# KiCad board sandevistan58_right.kicad_pcb
title: Sandevistan43; date: 2025-06-01; rev: 0.2; company: islathehut; note: Right Side
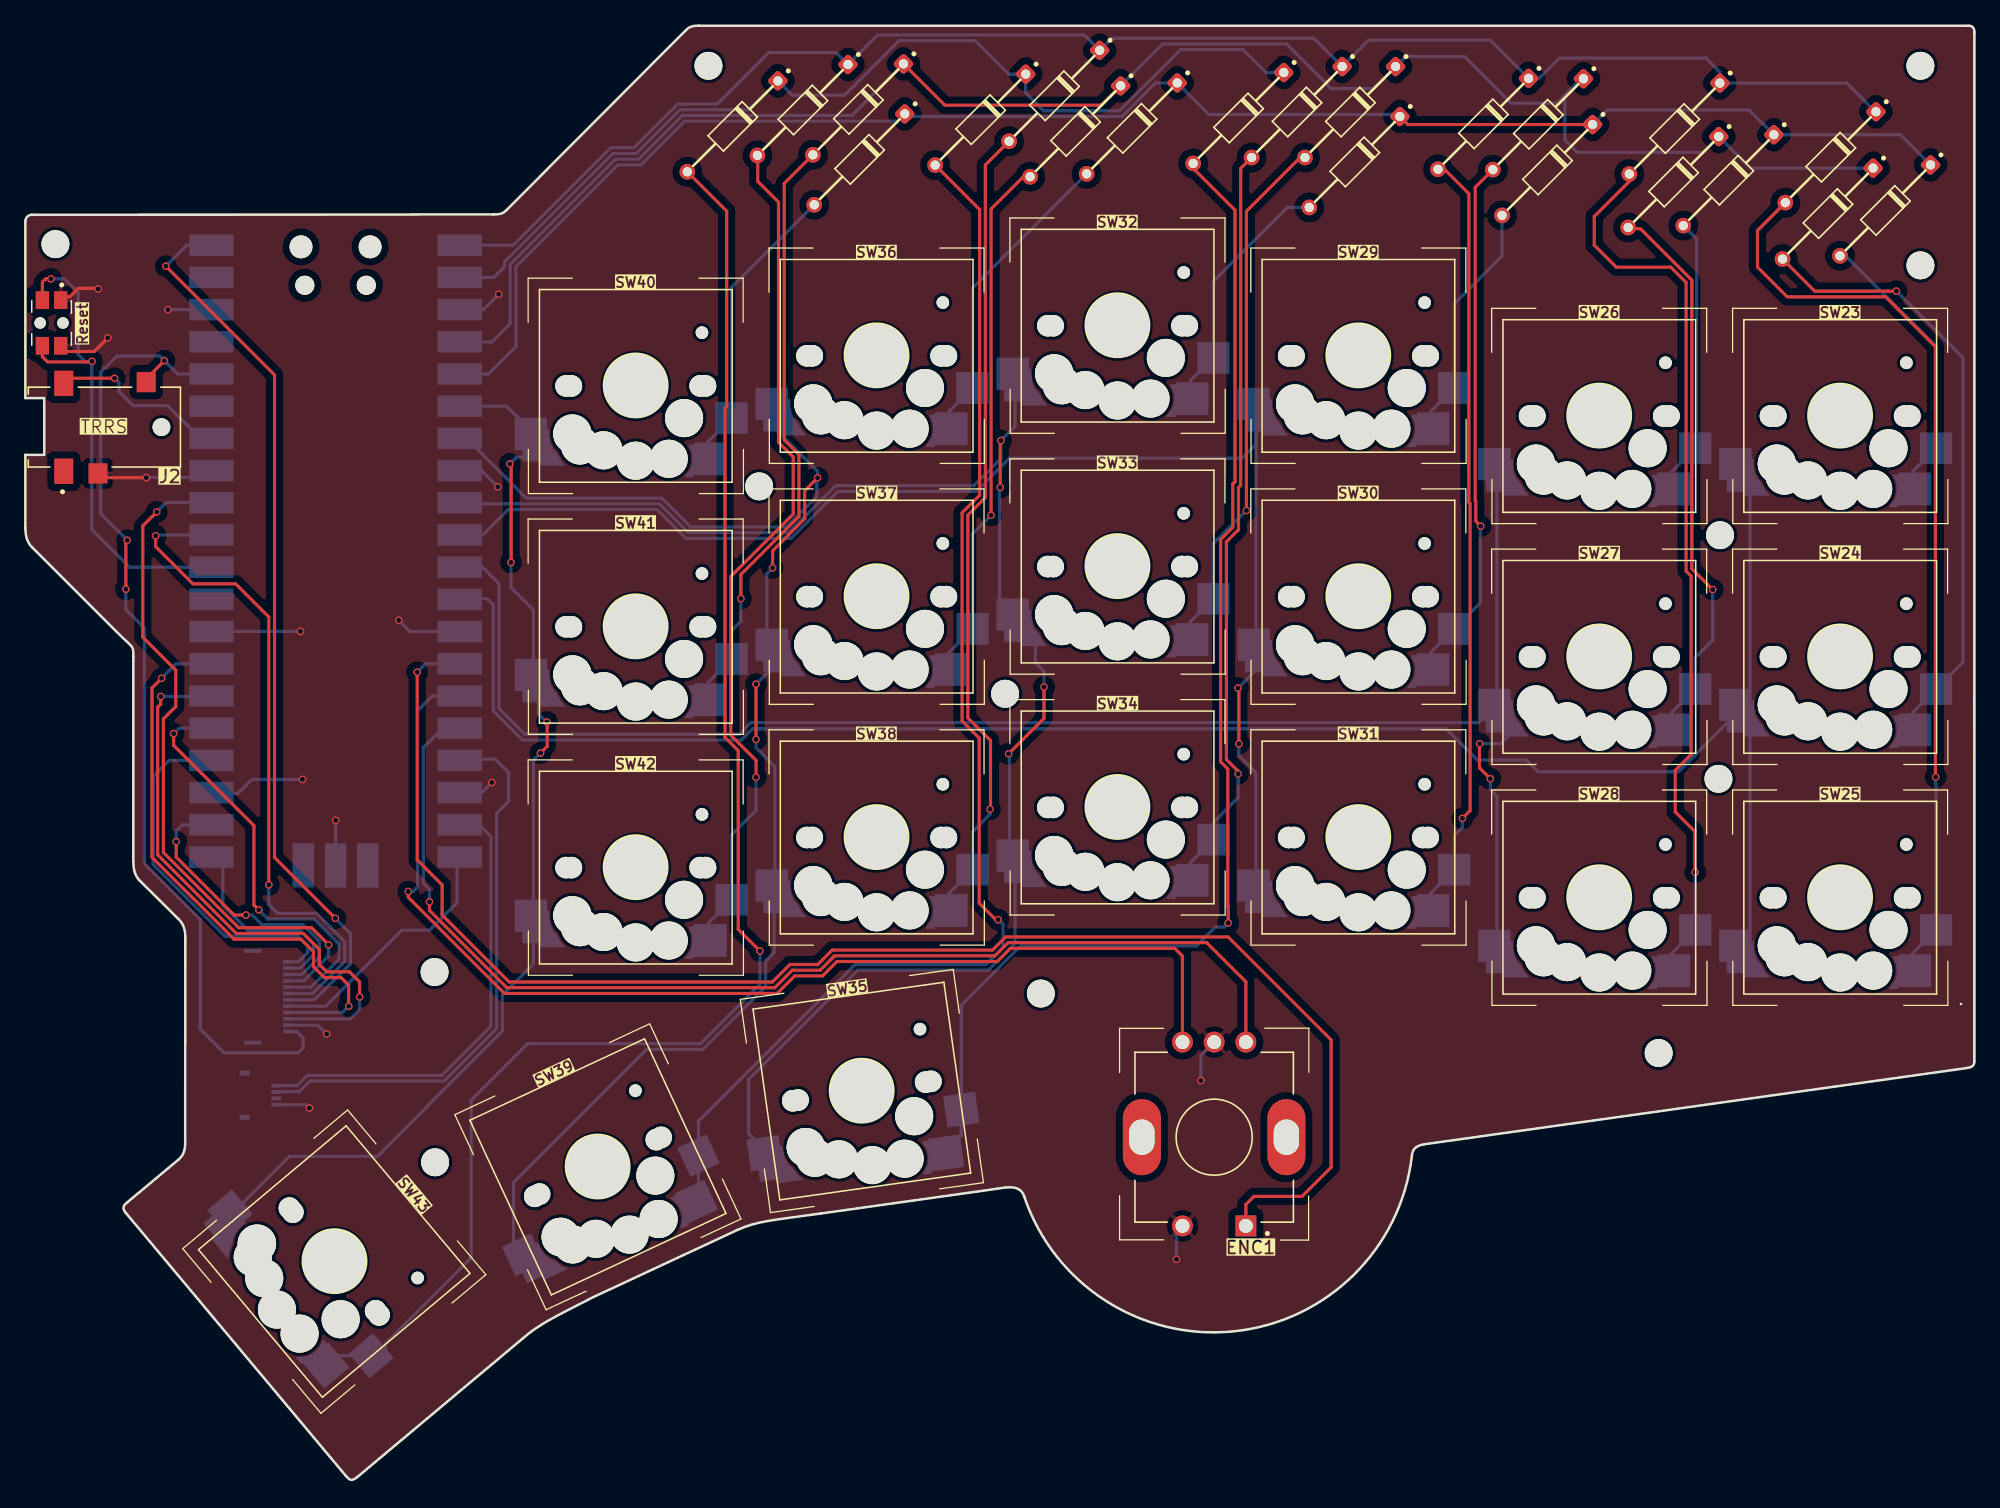
[diagram p0: board, top side]
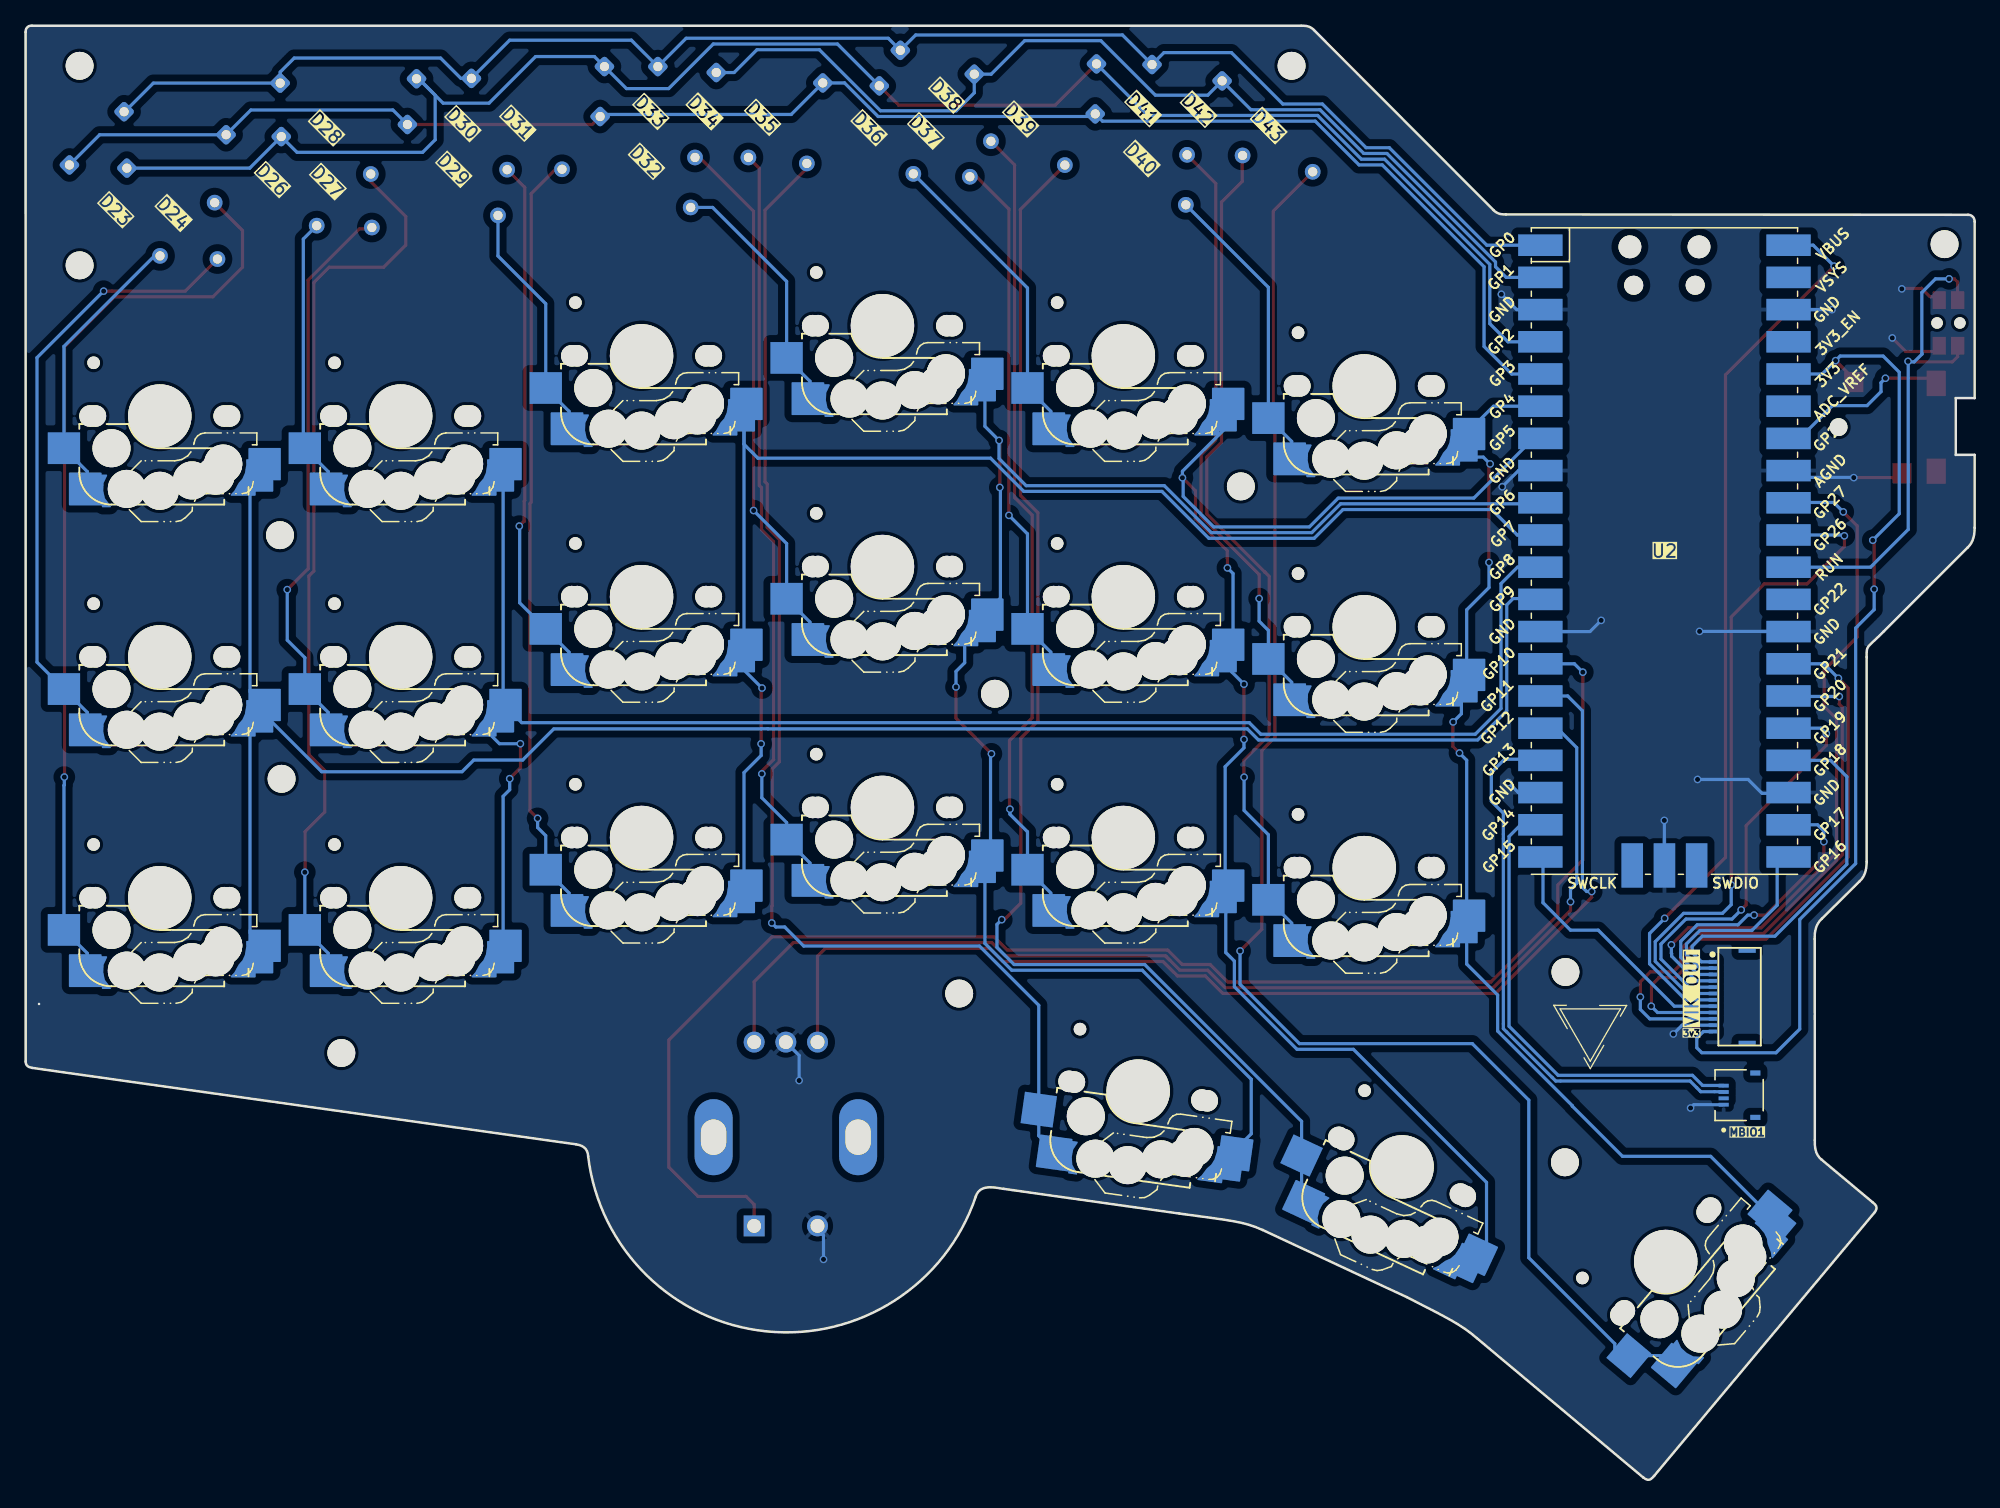
[diagram p1: board, bottom side, seen from below]

Outline 153.75 x 114.96 mm; copper layers: Top, Bottom. Coordinates in mm from the lower left corner of the outline.
Outline path: 0,99.48 0,85.56 1.49,85.56 1.49,81.08 0,81.08 0,75.32 ; 0.56,73.76 7.16,67.16 ; 7.93,21.27 25.28,0.53 ; 8.05,22.12 12.08,25.48 ; 8.52,65.12 8.52,48.98 ; 9.07,47.44 12.05,44.49 ; 12.62,42.88 12.61,26.99 ; 26.14,0.41 39.26,11.4 ; 36.96,100.04 0.53,100.02 ; 37.95,100.39 52.11,114.59 ; 44.78,14.63 56.15,19.93 ; 62.74,21.23 76.58,23.18 ; 109.36,25.75 arc(95.34,11.94) 78.79,22.57 ; 110.32,26.69 153.23,32.72 ; 153.23,114.93 53.11,114.93 ; 153.73,114.42 153.73,33.22

## Placement (name value [footprint] x y rotation side)
D23  D  [TH 1N4148 Diode (long)]  146.71 100.36 225 top
D24  D  [TH 1N4148 Diode (long)]  142.18 100.11 225 top
D25  D  [TH 1N4148 Diode (long)]  142.4 104.56 225 top
D26  D  [TH 1N4148 Diode (long)]  134.36 102.74 225 top
D27  D  [TH 1N4148 Diode (long)]  130 102.6 225 top
D28  D  [TH 1N4148 Diode (long)]  130.09 106.82 225 top
D29  D  [TH 1N4148 Diode (long)]  120.06 103.55 225 top
D30  D  [TH 1N4148 Diode (long)]  119.34 107.16 225 top
D31  D  [TH 1N4148 Diode (long)]  115.01 107.19 225 top
D32  D  [TH 1N4148 Diode (long)]  104.86 104.18 225 top
D33  D  [TH 1N4148 Diode (long)]  104.52 108.12 225 top
D34  D  [TH 1N4148 Diode (long)]  100.3 108.12 225 top
D35  D  [TH 1N4148 Diode (long)]  95.7 107.65 225 top
D36  D  [TH 1N4148 Diode (long)]  87.3 106.83 225 top
D37  D  [TH 1N4148 Diode (long)]  82.84 106.6 225 top
D38  D  [TH 1N4148 Diode (long)]  81.18 109.41 225 top
D39  D  [TH 1N4148 Diode (long)]  75.35 107.52 225 top
D40  D  [TH 1N4148 Diode (long)]  65.8 104.39 225 top
D41  D  [TH 1N4148 Diode (long)]  65.71 108.33 225 top
D42  D  [TH 1N4148 Diode (long)]  61.33 108.28 225 top
D43  D  [TH 1N4148 Diode (long)]  55.8 107 225 top
ENC1  PEC11R-4215F-S0024  [PEC11R_23mm_knob]  93.77 27.25 180 top
J2  TRRS  [CUI_SJ2-35954A-SMT-TR]  6.23 83.27 0 top
MBIO1  F3311A7H121004E200  [AMPHENOL_F3311A7H121004E200]  18.33 30.57 90 bottom
Ref**  Val**  [MountingHole_2.2mm_M2_DIN965]  57.88 78.59 0 top
REF**  -  [vik-logo-small]  30.32 35.85 180 bottom
Ref**#2  Val**  [MountingHole_2.2mm_M2_DIN965]  32.28 40.28 0 top
Ref**#3  Val**  [MountingHole_2.2mm_M2_DIN965]  2.37 97.7 0 top
Ref**#4  Val**  [MountingHole_2.2mm_M2_DIN965]  53.88 111.77 0 top
Ref**#5  Val**  [MountingHole_2.2mm_M2_DIN965]  133.54 55.52 0 top
Ref**#6  95.5931  [MountingHole_2.2mm_M2_DIN965]  149.47 111.77 0 top
Ref**#7  Val**  [MountingHole_2.2mm_M2_DIN965]  80.1 38.58 0 top
Ref**#8  Val**  [MountingHole_2.2mm_M2_DIN965]  77.28 62.23 0 top
Ref**#9  Val**  [MountingHole_2.2mm_M2_DIN965]  149.47 96.03 0 top
Ref**#10  Val**  [MountingHole_2.2mm_M2_DIN965]  32.32 25.27 0 top
Ref**#11  Val**  [MountingHole_2.2mm_M2_DIN965]  128.83 33.89 0 top
Ref**#12  Val**  [MountingHole_2.2mm_M2_DIN965]  133.67 74.74 0 top
RSW2  EVQ-P7C01P  [SW_EVQ-P7C01P]  2.07 91.48 270 top
SW23  SW_PUSH  [Universal Switch Footprint (1u)]  143.02 84.23 0 top
SW24  SW_PUSH  [Universal Switch Footprint (1u)]  143.02 65.23 0 top
SW25  SW_PUSH  [Universal Switch Footprint (1u)]  143.02 46.23 0 top
SW26  SW_PUSH  [Universal Switch Footprint (1u)]  124.02 84.23 0 top
SW27  SW_PUSH  [Universal Switch Footprint (1u)]  124.02 65.23 0 top
SW28  SW_PUSH  [Universal Switch Footprint (1u)]  124.02 46.23 0 top
SW29  SW_PUSH  [Universal Switch Footprint (1u)]  105.02 88.98 0 top
SW30  SW_PUSH  [Universal Switch Footprint (1u)]  105.02 69.98 0 top
SW31  SW_PUSH  [Universal Switch Footprint (1u)]  105.02 50.98 0 top
SW32  SW_PUSH  [Universal Switch Footprint (1u)]  86.02 91.36 0 top
SW33  SW_PUSH  [Universal Switch Footprint (1u)]  86.02 72.36 0 top
SW34  SW_PUSH  [Universal Switch Footprint (1u)]  86.02 53.36 0 top
SW35  SW_PUSH  [Universal Switch Footprint (1u)]  65.84 30.96 8 top
SW36  SW_PUSH  [Universal Switch Footprint (1u)]  67.02 88.98 0 top
SW37  SW_PUSH  [Universal Switch Footprint (1u)]  67.02 69.98 0 top
SW38  SW_PUSH  [Universal Switch Footprint (1u)]  67.02 50.98 0 top
SW39  SW_PUSH  [Universal Switch Footprint (1u)]  45.01 24.94 25 top
SW40  SW_PUSH  [Universal Switch Footprint (1u)]  48.02 86.61 0 top
SW41  SW_PUSH  [Universal Switch Footprint (1u)]  48.02 67.61 0 top
SW42  SW_PUSH  [Universal Switch Footprint (1u)]  48.02 48.61 0 top
SW43  SW_PUSH  [Universal Switch Footprint (1.5u)]  24.44 17.51 310 top
U2  Pico  [RPi_Pico_SMD_TH_no_through_holes]  24.47 73.49 180 bottom
VIK1  ~  [vik-keyboard-connector-horizontal-mini]  18.54 38.34 90 bottom

## Library data of the parts
D23-D43 = -: Description: Diode; Sim.Pins: 1=K 2=A; ki_fp_filters: TO-???* *_Diode_* *SingleDiode* D_*
ENC1 = -: MF: Bourns; MAXIMUM_PACKAGE_HEIGHT: 21.5 mm; Package: None; Price: None; Check_prices: https://www.snapeda.com/parts/PEC11R-4215F-S0024/Bourns/view-part/?ref=eda; STANDARD: Manufacturer Recommendations; PARTREV: Rev. 09/19; SnapEDA_Link: https://www.snapeda.com/parts/PEC11R-4215F-S0024/Bourns/view-part/?ref=snap; Description_1: Encoder,Rotary,24 Detents,15 mm, Shaft,Switch | Bourns PEC11R-4215F-S0024; Availability: In Stock; MANUFACTURER: J.W.Miller/Bourns
J2 = -: MF: Same Sky; MAXIMUM_PACKAGE_HEIGHT: 5 mm; Package: None; Price: None; Check_prices: https://www.snapeda.com/parts/SJ2-35954A-SMT-TR/Same+Sky/view-part/?ref=eda; STANDARD: Manufacturer Recommendations; PARTREV: 1.04; SnapEDA_Link: https://www.snapeda.com/parts/SJ2-35954A-SMT-TR/Same+Sky/view-part/?ref=snap; MP: SJ2-35954A-SMT-TR; Description_1: 3.5 mm, Stereo, Right Angle, Surface Mount (SMT), 4 Conductors, 0 Internal Switches, Audio Jack Connector; Availability: In Stock; MANUFACTURER: CUI Devices
MBIO1 = -: MF: Amphenol; MAXIMUM_PACKAGE_HEIGHT: 1.62mm; Package: None; Price: None; Check_prices: https://www.snapeda.com/parts/F3311A7H121004E200/Amphenol/view-part/?ref=eda; STANDARD: Manufacturer Recommendations; PARTREV: A; SnapEDA_Link: https://www.snapeda.com/parts/F3311A7H121004E200/Amphenol/view-part/?ref=snap; Description_1: Flex Connector, P=0.50mm, H=1.00mm, Right angle orientation, Flip type, ZIF, Double contact, point 4P; MANUFACTURER: Amphenol; Availability: In Stock
RSW2 = -: PARTREV: 2022.4; STANDARD: Manufacturer Recommendations; MAXIMUM_PACKAGE_HEIGHT: 1.35mm; MANUFACTURER: Panasonic Electronic Components; MF: Panasonic; Package: None; Price: None; Check_prices: https://www.snapeda.com/parts/EVQP7C01P/Panasonic/view-part/?ref=eda; SnapEDA_Link: https://www.snapeda.com/parts/EVQP7C01P/Panasonic/view-part/?ref=snap; MP: EVQP7C01P; Description_1: TACTILE SW, SPST-NO, 0.05A, 12V, SMD; Product Range:EVQP7 Series; Actuator Orientation:Side Actuated; Switch Mounting:SMD; Actuator Style:Rectangular Button; Actuating Force:220gf; Contact Rating:50mA at 12VDC; Switch Dimensions (L xRoHS Compliant: Yes; Availability: In Stock; Label: Reset

## Footprints (pads in the part's own frame, mm; a bottom-side part is the same pattern mirrored in y, then rotated)
AMPHENOL_F3311A7H121004E200
  rect 0.3x0.8 smd: 1(-0.75,1.47) 2(-0.25,1.47) 3(0.25,1.47) 4(0.75,1.47)
  rect 0.4x0.8 smd: SH1(-1.75,-1.03) SH2(1.75,-1.03)
CUI_SJ2-35954A-SMT-TR
  round 1.4 hole 1.4 unplated: (4.5,0)
  rect 1.5x2 smd: 1(-3.2,-3.48) 4(-3.2,3.45)
  rect 1.5x1.6 smd: 2(3.3,3.55) 3(-0.5,-3.65)
MountingHole_2.2mm_M2_DIN965
  round 2.2 hole 2.2 unplated: (0,0)
PEC11R_23mm_knob
  rect 1.65x1.65 hole 1.1: 1(-2.5,7)
  round 1.65 hole 1.1: 2(2.5,7) A(-2.5,-7.5) B(2.5,-7.5) COM(0,-7.5)
  oval 3x6 hole 2x2.8: S1(-5.7,0) S2(5.7,0)
RPi_Pico_SMD_TH_no_through_holes
  oval 1.8x1.8 hole 1.8 unplated: (-2.725,24) (2.725,24)
  oval 1.5x1.5 hole 1.5 unplated: (-2.425,20.97) (2.425,20.97)
  rect 3.5x1.7 smd: 1(-8.89,24.13) 2(-8.89,21.59) 3(-8.89,19.05) 4(-8.89,16.51) 5(-8.89,13.97) 6(-8.89,11.43) 7(-8.89,8.89) 8(-8.89,6.35) 9(-8.89,3.81) 10(-8.89,1.27) 11(-8.89,-1.27) 12(-8.89,-3.81) 13(-8.89,-6.35) 14(-8.89,-8.89) 15(-8.89,-11.43) 16(-8.89,-13.97) 17(-8.89,-16.51) 18(-8.89,-19.05) 19(-8.89,-21.59) 20(-8.89,-24.13) 21(8.89,-24.13) 22(8.89,-21.59) 23(8.89,-19.05) 24(8.89,-16.51) 25(8.89,-13.97) 26(8.89,-11.43) 27(8.89,-8.89) 28(8.89,-6.35) 29(8.89,-3.81) 30(8.89,-1.27) 31(8.89,1.27) 32(8.89,3.81) 33(8.89,6.35) 34(8.89,8.89) 35(8.89,11.43) 36(8.89,13.97) 37(8.89,16.51) 38(8.89,19.05) 39(8.89,21.59) 40(8.89,24.13)
  rect 1.7x3.5 smd: 41(-2.54,-23.9) 42(0,-23.9) 43(2.54,-23.9)
SW_EVQ-P7C01P
  round 0.9 hole 0.9 unplated: (0,0.9) (0,-0.9)
  rect 1.4x1.05 smd: 1_1(-1.8,0.725) 1_2(1.8,0.725) 2_1(-1.8,-0.725) 2_2(1.8,-0.725)
TH 1N4148 Diode (long)
  rrect 1.238x1.238 hole 0.73: 1(-5.053,-0.02)
  round 1.238 hole 0.73: 2(5.07,0)
Universal Switch Footprint (1.5u)
  round 1.702 hole 1.702 unplated: (-5.5,-0.095) (-5.08,-0.095) (5.08,-0.095) (5.5,-0.095)
  round 3 hole 3 unplated: (-5,-3.845) (-5,-3.895) (-4.4,-4.795) (-2.54,-5.175) (0,-5.995) (2.6,-5.845) (3.81,-2.635)
  round 5 hole 5.05 unplated: (0,-0.095)
  round 0.991 hole 0.991 unplated: (5.22,4.105)
  custom 3.96x3.77 smd far side: 1(-8.08,-3.815)
  custom 3.32x2.74 smd far side: 2(5.72,-5.845)
  rect 2.55x2.5 smd far side: 2(7.56,-2.635)
Universal Switch Footprint (1u)
  round 1.702 hole 1.702 unplated: (-5.375,-0.09) (-4.955,-0.09) (5.205,-0.09) (5.625,-0.09)
  round 3 hole 3 unplated: (-4.875,-3.84) (-4.875,-3.89) (-4.275,-4.79) (-2.415,-5.17) (0.125,-5.99) (2.725,-5.84) (3.935,-2.63)
  round 5 hole 5.05 unplated: (0.125,-0.09)
  round 0.991 hole 0.991 unplated: (5.345,4.11)
  custom 3.96x3.77 smd far side: 1(-7.955,-3.81)
  custom 3.32x2.74 smd far side: 2(5.845,-5.84)
  rect 2.55x2.5 smd far side: 2(7.685,-2.63)
vik-keyboard-connector-horizontal-mini
  rect 0.3x0.65 smd: 1(-2.75,2.11) 2(-2.25,2.11) 3(-1.75,2.11) 4(-1.25,2.11) 5(-0.75,2.11) 6(-0.25,2.11) 7(0.25,2.11) 8(0.75,2.11) 9(1.25,2.11) 10(1.75,2.11) 11(2.25,2.11) 12(2.75,2.11)
  rect 0.305x1.355 smd: 13(3.61,-0.598) 14(-3.632,-0.598)

## Nets
GND_r: ENC1.2 ENC1.COM J2.3 MBIO1.1 RSW2.1_1 RSW2.1_2 U2.3 U2.8 U2.13 U2.18 U2.23 U2.28 U2.33 U2.38 U2.42 VIK1.2
VCC_r: J2.2 U2.36 VIK1.1
col0_r: SW23.1 SW24.1 SW25.1 U2.12
col1_r: SW26.1 SW27.1 SW28.1 U2.11
col2_r: SW29.1 SW30.1 SW31.1 U2.10
col3_r: SW32.1 SW33.1 SW34.1 SW35.1 U2.9
col4_r: SW36.1 SW37.1 SW38.1 SW39.1 U2.7
col5_r: SW40.1 SW41.1 SW42.1 SW43.1 U2.6
data_r: J2.4 U2.34
enc_a_r: ENC1.A U2.16
enc_b_r: ENC1.B U2.15
enc_sw_r: ENC1.1 U2.14
GPIO_AD1_r: U2.31 VIK1.7
GPIO_AD2_r: U2.32 VIK1.9
MB1: MBIO1.4 U2.19
MB2: MBIO1.3 U2.17
MISO_r: U2.21 VIK1.11
MOSI_r: U2.25 VIK1.8
RAW_r: U2.40 VIK1.6
reset_r: RSW2.2_1 RSW2.2_2 U2.30
row0_r: D23.1 D26.1 D29.1 D32.1 D36.1 D40.1 U2.5
row1_r: D24.1 D27.1 D30.1 D33.1 D37.1 D41.1 U2.4
row2_r: D25.1 D28.1 D31.1 D34.1 D38.1 D42.1 U2.1
row3_r: D35.1 D39.1 D43.1 U2.2
SCL_r: U2.27 VIK1.4
SCLK_r: U2.24 VIK1.12
SDA_r: U2.26 VIK1.3
SPI_CS_r: U2.22 VIK1.10
UNUSED_r: U2.20 VIK1.5
Net-(D23-A): D23.2 SW23.2
Net-(D24-A): D24.2 SW24.2
Net-(D25-A): D25.2 SW25.2
Net-(D26-A): D26.2 SW26.2
Net-(D27-A): D27.2 SW27.2
Net-(D28-A): D28.2 SW28.2
Net-(D29-A): D29.2 SW29.2
Net-(D30-A): D30.2 SW30.2
Net-(D31-A): D31.2 SW31.2
Net-(D32-A): D32.2 SW32.2
Net-(D33-A): D33.2 SW33.2
Net-(D34-A): D34.2 SW34.2
Net-(D35-A): D35.2 SW35.2
Net-(D36-A): D36.2 SW36.2
Net-(D37-A): D37.2 SW37.2
Net-(D38-A): D38.2 SW38.2
Net-(D39-A): D39.2 SW39.2
Net-(D40-A): D40.2 SW40.2
Net-(D41-A): D41.2 SW41.2
Net-(D42-A): D42.2 SW42.2
Net-(D43-A): D43.2 SW43.2

Pads without a net: ENC1 S1 S2; J2 1; MBIO1 2 SH1 SH2; U2 29 35 37 39 41 43; VIK1 13 14

## Via types
v1: diameter 0.6, hole 0.4, Top to Bottom, 69 vias

## Routing (per net, layer and track width the routed paths; a pad name or vN(x,y) marks a point on that pad's centre or on a via; arc(x,y) is an arc through that point)
GND_r: length 66.2
  Top w0.25: v1(36.79,55.23) 36.79,55.13 ; 2.78,89.95 2.79,89.94 RSW2.1_2 3.24,89.23 5.43,89.23 v1(6.5,90.3) ; 2.78,93.55 3.52,93.55 4.18,94.21 5.71,94.21 v1(5.75,94.17) ; 37.26,93.68 v1(37.33,93.75) ; v1(9.54,79.28) 6.07,79.28
  Bottom w0.25: ENC1.COM 92.72,33.7 v1(92.72,31.72) ; 15.04,79.3 9.56,79.3 v1(9.54,79.28) ; v1(37.26,78.56) 35.98,79.84 U2.8 ; v1(29.46,68.02) 30.34,67.14 U2.13 ; VIK1.2 23.07,36.09 v1(23.77,35.39) ; v1(90.8,17.61) 90.8,19.5 91.37,20.07 ; MBIO1.1 22.14,29.82 v1(22.41,29.55) ; 15.52,54.38 16.77,54.38 17.87,55.47 v1(21.86,55.47) ; v1(11.25,92.53) 12.38,92.53 12.38,92.54 U2.38 ; U2.28 15.59,67.15 v1(21.7,67.15) ; U2.3 36.12,92.54 v1(37.33,93.75) ; v1(36.79,55.23) 35.99,54.44 U2.18 ; v1(24.48,52.24) 24.48,49.6
VCC_r: length 79.2
  Top w0.25: v1(7.93,70.48) 7.93,74.23 v1(8.04,74.34) ; v1(10.97,88.51) 9.53,87.08
  Bottom w0.25: v1(8.04,74.34) 5.95,76.43 5.95,87.6 7.22,88.87 10.61,88.87 v1(10.97,88.51) 12.02,87.46 U2.36 ; v1(7.93,70.48) 7.93,68.87 9.39,67.41 9.39,48.83 13.8,44.42 13.8,35.78 15.67,33.91 21.52,33.91 21.92,34.31 21.92,35.06 21.39,35.59 VIK1.1
col0_r: length 148.1
  Bottom w0.25: 134.41,60.12 130.38,56.08 119.31,56.08 118.39,57 114.53,57 112.07,59.46 95.71,59.46 95.7,59.47 95.18,59.47 95.17,59.46 57.36,59.46 56.49,58.59 39.2,58.59 36.91,60.88 36.91,69.24 36.41,69.74 33.42,69.74 ; 136.03,79.46 136.03,62.39 ; 136.03,60.46 136.03,43.39
col1_r: length 131.8
  Top w0.25: v1(115.55,55.53) 114.7,56.38 114.7,58.29 v1(114.71,58.29)
  Bottom w0.25: v1(115.55,55.53) 115.55,54.66 116.07,54.14 SW28.1 ; 115.2,60.56 114.6,59.95 57.22,59.95 56.3,59.04 39.39,59.04 37.36,61.07 37.36,70.92 36.06,72.22 U2.11 ; 117.09,59.03 116.36,58.29 v1(114.71,58.29) ; SW26.1 SW27.1
col2_r: length 108.9
  Top w0.25: v1(95.72,58.28) 95.72,62.61 v1(95.65,62.68)
  Bottom w0.25: v1(95.65,62.68) 97.07,64.1 ; U2.10 36.07,74.76 38.08,76.77 49.82,76.77 52.1,74.49 60.4,74.49 64.1,78.2 75,78.2 77.62,80.82 95.97,80.82 97.07,81.91 SW29.1 SW30.1 ; v1(95.72,58.28) 95.72,57.36 97.07,56.01 SW31.1
col3_r: length 125.5
  Top w0.25: v1(76.89,78.51) 76.89,82.16 v1(76.95,82.21) ; v1(80.35,62.77) 80.35,60.29 v1(77.55,57.5)
  Bottom w0.25: 77.62,49.99 77.62,57.43 v1(77.55,57.5) ; SW33.1 76.84,69.77 76.84,78.46 v1(76.89,78.51) ; SW32.1 78.07,83.33 v1(76.95,82.21) 76.95,80.78 74.81,78.65 63.91,78.65 60.21,74.94 52.28,74.94 50.01,77.22 33.44,77.22 ; v1(80.35,62.77) 80.35,63.99 79.66,64.68 79.66,66.95 ; SW35.1 57.06,27.52 57.06,31.82 65.66,40.42 75.95,40.42 78.07,42.54 SW34.1
col4_r: length 111.9
  Top w0.25: v1(57.63,62.99) v1(57.63,58.63) ; v1(62.49,79.27) 61.47,78.25 61.47,76.03 58.95,73.51 58.95,72.95 58.94,72.94 v1(58.94,72.16)
  Bottom w0.25: 59.12,47.22 59.12,56.48 57.63,57.97 v1(57.63,58.63) ; 59.07,83.2 62.49,79.78 v1(62.49,79.27) 62.43,79.21 62.43,77.8 60.02,75.39 52.47,75.39 50.2,77.67 39.5,77.67 35.27,81.9 ; SW38.1 59.07,41.82 58.39,41.14 58.39,39.12 53.45,34.18 49,34.18 38.5,23.69 38.5,19.04 SW39.1 ; v1(58.94,72.16) 58.49,71.72 58.49,66.75 ; v1(57.63,62.99) 58.6,63.96 58.6,65.71
col5_r: length 83.9
  Top w0.25: v1(40.63,57.56) 41.16,58.09 41.16,59.98 v1(41.13,60.01) ; v1(38.22,80.36) 38.32,80.26 38.32,72.6 v1(38.31,72.59)
  Bottom w0.25: v1(40.63,57.56) 40.07,56.99 SW42.1 40.07,40.91 37.62,38.47 37.62,35.63 31.74,29.74 31.74,29.7 27.78,25.74 20.82,25.74 SW43.1 ; v1(38.22,80.36) 38.76,80.9 40.2,80.9 ; 40.48,63.38 40.48,60.66 v1(41.13,60.01) ; U2.6 37.95,84.92 SW40.1 ; v1(38.31,72.59) 38.31,70.61 40.07,68.85 SW41.1
data_r: length 12.7
  Top w0.25: v1(7.04,87.12) 3.44,87.12
  Bottom w0.25: v1(7.04,87.12) 7.39,86.77 7.39,86.06 8.49,84.96 11.22,84.96 13.8,82.38
enc_a_r: length 90
  Top w0.25: ENC1.A 96.27,39.51 93.18,42.6 77.51,42.6 76.47,41.56 63.83,41.56 63.75,41.48 ; 63.75,41.48 62.69,40.43 60.49,40.43 59.11,39.04 37.97,39.04 31.88,45.14 v1(31.88,45.82) ; 63.75,41.48 63.47,41.21
  Bottom w0.25: v1(31.88,45.82) 31.88,46.79 31.39,47.28 31.39,57.98 32.92,59.52
enc_b_r: length 90.9
  Top w0.25: ENC1.B 91.27,41.54 90.66,42.15 77.7,42.15 76.66,41.11 64.01,41.11 62.88,39.97 60.68,39.97 59.3,38.59 37.79,38.59 30.21,46.17 v1(30.21,46.63)
  Bottom w0.25: U2.15 32.1,62.06 30.94,60.89 30.94,46.97 30.6,46.63 v1(30.21,46.63)
enc_sw_r: length 119.5
  Top w0.25: v1(30.91,63.93) 30.91,49.12 32.88,47.15 32.88,44.78 38.16,39.49 58.92,39.49 60.3,40.88 62.5,40.88 63.64,42.01 76.29,42.01 77.33,43.05 94.87,43.05 103,34.92 103,24.88 100.7,22.58 96.91,22.58 96.27,21.94 ENC1.1
  Bottom w0.25: U2.14 31.57,64.6 v1(30.91,63.93)
GPIO_AD1_r: length 54.4
  Top w0.25: v1(10.28,74.69) 10.28,73.84 13.22,70.9 16.59,70.9 19.2,68.29 v1(19.2,47.16)
  Bottom w0.25: v1(19.2,47.16) 19.2,45.6 19.89,44.91 22.96,44.91 25.19,42.68 25.19,41.12 22.71,38.64 22.67,38.64 22.62,38.59 VIK1.7 ; v1(10.28,74.69) 10.34,74.76 U2.31
GPIO_AD2_r: length 55.3
  Top w0.25: v1(10.36,76.58) 9.26,75.48 9.26,66.7 11.87,64.09 11.87,61.23 10.89,60.25 10.89,49.71 16.82,43.78 22.57,43.78 v1(23.92,42.43)
  Bottom w0.25: v1(23.92,42.43) 23.92,41.76 23.9,41.74 23.9,41.53 21.95,39.59 VIK1.9 ; v1(10.36,76.58) 11.11,77.32 15.55,77.32
MB1: length 35.1
  Bottom w0.25: 35.8,51.9 36.72,50.98 36.72,36 32.85,32.13 22.26,32.13 21.46,31.33 19.81,31.33 MBIO1.4
MB2: length 45.2
  Bottom w0.25: MBIO1.3 19.82,30.84 21.6,30.84 22.44,31.68 33.04,31.68 37.17,35.81 37.17,52.81 38.12,53.76 38.12,56.02 37.07,57.07 33.45,57.07
MISO_r: length 15.6
  Bottom w0.25: U2.21 15.58,45.55 17.57,43.56 21.67,43.56 22.73,42.49 22.73,41.64 21.68,40.59 VIK1.11
MOSI_r: length 34.2
  Top w0.25: 11.7,58.93 11.7,58.16 18.03,51.83 18.03,45.57 v1(18.41,45.19)
  Bottom w0.25: v1(18.41,45.19) 19.14,44.46 22.77,44.46 24.74,42.49 24.74,41.31 22.52,39.09 VIK1.8 ; U2.25 12.12,59.52 v1(11.7,59.09)
RAW_r: length 72.4
  Top w0.25: v1(11.08,95.96) 19.65,87.39 19.65,49.32 v1(24.45,44.52)
  Bottom w0.25: v1(11.08,95.96) 12.73,97.62 U2.40 ; VIK1.6 22.64,38.09 22.69,38.14 22.81,38.14 22.86,38.19 22.89,38.19 25.64,40.93 25.64,43.32 24.45,44.51 v1(24.45,44.52)
reset_r: length 41
  Top w0.25: 5.32,88.52 v1(5.25,88.46) 5.21,88.41 1.76,88.41 1.34,88.83 1.34,89.94 1.33,89.95 ; v1(2.02,94.96) 1.6,94.96 1.35,94.71 1.35,93.57 1.33,93.55
  Bottom w0.25: U2.30 8.21,72.22 5.24,75.19 5.24,88.44 v1(5.25,88.46) ; v1(2.02,94.96) 3.09,94.96 4.17,93.88 4.17,89.05 4.15,89.03 4.77,88.41 5.21,88.41 v1(5.25,88.46) ; v1(5.25,88.46) 5.3,88.5
row0_r: length 133.4
  Top w0.25: D29.1 109.04,107.14 D32.1
  Bottom w0.25: 108.25,107.93 93.34,107.93 D36.1 89.14,110.42 86.49,107.77 69.57,107.77 ; U2.5 36.52,87.46 38.69,89.63 38.69,95.92 46.73,103.95 48.56,103.95 52.01,107.4 68.79,107.4 D40.1 ; D23.1 147.89,106.33 D26.1 135.96,108.28 124.76,108.28 D29.1
row1_r: length 141
  Top w0.25: D41.1 72.52,108.66 84.87,108.66 D37.1
  Bottom w0.25: D24.1 136.05,103.7 D27.1 132.32,104.94 122.42,104.94 121.43,105.93 121.43,109.45 122.72,110.75 120.8,108.82 117.18,108.82 113.5,112.5 108.87,112.5 106.34,109.97 103.01,109.97 99.49,113.49 89.69,113.49 D37.1 ; U2.4 36.81,90 38.24,91.43 38.24,96.11 46.54,104.4 48.37,104.4 51.82,107.85 65.2,107.85 D41.1
row2_r: length 127
  Bottom w0.25: 119.45,110.83 121,112.38 132.54,112.38 133.65,111.27 D28.1 143.65,110.4 145.91,108.15 ; U2.1 38.48,97.62 46.17,105.31 48,105.31 51.45,108.76 54.57,108.76 58.63,112.81 63.94,112.81 D42.1 67.22,114.2 83.52,114.2 D38.1 85.68,113.94 101.63,113.94 D34.1 105.94,113.79 115.55,113.79 D31.1 119.4,110.78
row3_r: length 80.7
  Bottom w0.25: D35.1 97.84,111.24 96.04,113.04 91.12,113.04 86.3,108.22 80.32,108.22 78.9,109.64 D39.1 77.57,111.11 74.93,113.75 68.92,113.75 64.61,109.45 60.49,109.45 D43.1 57.08,108.3 51.63,108.3 48.18,104.85 46.35,104.85 37.79,96.29 37.79,95.92 36.95,95.08 U2.2
SCL_r: length 46.8
  Top w0.25: v1(10.75,63.45) 9.99,62.69 9.99,49.34 16.45,42.87 21.74,42.87 22.73,41.88 22.73,40.7 23.58,39.85 24.89,39.85 25.5,39.24 25.5,37.59 v1(25.51,37.58)
  Bottom w0.25: U2.27 11.89,64.6 v1(10.75,63.45) ; v1(25.51,37.58) 25.01,37.09 VIK1.4
SCLK_r: length 30.2
  Bottom w0.25: U2.24 11.36,56.98 10.08,55.7 10.08,48.78 15.75,43.11 21.48,43.11 22.28,42.31 22.28,41.83 21.54,41.09 VIK1.12
SDA_r: length 46.4
  Top w0.25: v1(10.68,62.02) 10.68,61.41 10.44,61.18 10.44,49.53 16.64,43.33 21.92,43.33 23.18,42.07 23.18,40.88 23.77,40.3 25.57,40.3 26.37,39.5 v1(26.37,38.31)
  Bottom w0.25: VIK1.3 25.62,36.59 26.37,37.33 v1(26.37,38.31) ; v1(10.68,62.02) 15.54,62.02
SPI_CS_r: length 24.3
  Top w0.25: v1(11.9,50.56) 11.9,49.34 16.47,44.77 v1(17.4,44.77)
  Bottom w0.25: v1(17.4,44.77) 17.9,44.77 18.66,44.01 21.88,44.01 23.18,42.71 23.18,41.45 21.82,40.09 VIK1.10 ; U2.22 12.39,51.9 11.9,51.4 v1(11.9,50.56)
UNUSED_r: length 19.7
  Bottom w0.25: VIK1.5 23.69,37.59 29.69,43.58 31.88,43.58 34.05,45.75 34.05,48.67
Net-(D23-A): length 22.1
  Bottom w0.25: 143.56,96.78 150.71,89.63 SW23.2 148.87,79.76 SW23.2
Net-(D24-A): length 48.5
  Top w0.25: v1(147.58,93.99) 146.91,93.99 146.91,93.99 141.13,93.99 D24.2
  Bottom w0.25: v1(147.58,93.99) 147.59,93.99 152.83,88.75 152.83,64.73 SW24.2 148.87,60.76 SW24.2
Net-(D25-A): length 72.6
  Top w0.25: D25.2 136.62,98.78 136.62,95.89 138.97,93.54 146.73,93.54 150.66,89.61 150.66,55.68 v1(150.68,55.66)
  Bottom w0.25: v1(150.68,55.66) 150.68,55.03 150.71,55 SW25.2 148.87,41.76 SW25.2
Net-(D26-A): length 21.7
  Bottom w0.25: SW26.2 129.87,79.76 SW26.2 ; D26.2 131.83,98.1 131.83,81.84
Net-(D27-A): length 44.1
  Top w0.25: 126.52,98.91 127.39,98.91 131.44,94.86 131.44,72.1 v1(133.09,70.45)
  Bottom w0.25: SW27.2 129.87,60.76 SW27.2 131.71,65.08 133.09,66.47 v1(133.09,70.45)
Net-(D28-A): length 71.6
  Top w0.25: v1(131.71,48.15) 131.69,48.17 131.69,51.36 130.14,52.91 130.14,56.19 131.39,57.44 131.39,71.51 130.99,71.91 130.99,94.67 129.78,95.88 125.49,95.88 123.75,97.62 123.75,99.88 126.51,102.64 126.51,103.22
  Bottom w0.25: SW28.2 129.87,41.76 SW28.2 v1(131.71,48.15)
Net-(D29-A): length 19.1
  Bottom w0.25: D29.2 116.47,96.77 112.71,93 SW29.2 110.87,84.51 SW29.2
Net-(D30-A): length 41.8
  Top w0.25: v1(114.79,75.46) 114.4,75.85 114.4,77.42 114.36,77.47 114.36,102.18 D30.2
  Bottom w0.25: SW30.2 110.87,65.51 SW30.2 114.76,69.41 114.76,75.43 v1(114.79,75.46)
Net-(D31-A): length 61.1
  Top w0.25: D31.2 111.93,103.61 113.86,101.68 113.86,77.33 113.95,77.24 113.95,53.01 v1(113.35,52.4)
  Bottom w0.25: SW31.2 110.87,46.51 SW31.2 112.71,51.04 113.35,51.68 v1(113.35,52.4)
Net-(D32-A): length 20
  Bottom w0.25: SW32.2 91.87,86.89 SW32.2 93.71,94.76 99.54,100.6 D32.2
Net-(D33-A): length 41.6
  Top w0.25: v1(96.31,76.69) 96.31,100.3 100.55,104.54
  Bottom w0.25: v1(96.31,76.69) 93.71,74.08 SW33.2 91.87,67.89 SW33.2
Net-(D34-A): length 59.8
  Top w0.25: D34.2 95.86,103.68 95.86,78.67 95.69,78.49 95.69,75.17 94.73,74.22 94.73,57.05 95.66,56.12 v1(95.66,55.91)
  Bottom w0.25: SW34.2 91.87,48.89 SW34.2 93.71,52.07 95.66,54.03 v1(95.66,55.91)
Net-(D35-A): length 98.1
  Top w0.25: 92.27,104.23 92.27,103.52 95.41,100.38 95.41,78.96 95.23,78.78 95.23,75.36 94.28,74.4 94.28,56.86 94.84,56.3 94.84,45.5 94.88,45.46 v1(94.88,44.15)
  Bottom w0.25: v1(94.88,44.15) 94.56,43.83 93.86,43.83 92.36,42.33 78.49,42.33 73.82,37.66 SW35.2 73.82,27.37 SW35.2
Net-(D36-A): length 24.6
  Bottom w0.25: D36.2 74.71,94.24 SW36.2 72.87,84.51 SW36.2
Net-(D37-A): length 41.8
  Top w0.25: v1(76.17,76.31) 76.17,100.47 78.72,103.02 D37.2
  Bottom w0.25: SW37.2 72.87,65.51 SW37.2 74.71,74.84 v1(76.17,76.31)
Net-(D38-A): length 64.1
  Top w0.25: D38.2 75.72,103.95 75.72,77.71 74.34,76.32 74.34,60.33 76.13,58.54 76.13,53.16 v1(76.09,53.13)
  Bottom w0.25: SW38.2 72.87,46.51 SW38.2 74.71,51.34 76.09,52.73 v1(76.09,53.13)
Net-(D39-A): length 101.4
  Top w0.25: v1(76.74,44.41) 76.54,44.41 75.24,45.71 75.24,58.73 73.89,60.08 73.89,76.51 75.27,77.89 75.27,100.43 D39.2
  Bottom w0.25: v1(76.74,44.41) 77.12,44.03 77.12,42.23 75.76,40.87 65.46,40.87 53.09,28.5 SW39.2 53.09,22.43 SW39.2
Net-(D40-A): length 23.5
  Bottom w0.25: SW40.2 53.87,82.14 SW40.2 55.71,94.29 D40.2
Net-(D41-A): length 47.4
  Top w0.25: D41.2 59.86,102.49 59.86,82.26 61.02,81.1 61.02,76.22 56.44,71.64 v1(56.44,69.74)
  Bottom w0.25: SW41.2 53.87,63.14 SW41.2 55.71,67.23 56.44,67.96 v1(56.44,69.74)
Net-(D42-A): length 67.5
  Top w0.25: 57.77,104.67 57.77,102.66 59.41,101.02 59.41,82.07 60.57,80.91 60.57,76.41 55.99,71.83 55.98,71.83 55.64,71.48 55.64,58.97 57.64,56.97 57.64,55.66 v1(57.62,55.65)
  Bottom w0.25: SW42.2 53.87,44.14 SW42.2 55.71,51.11 57.62,53.03 v1(57.62,55.65)
Net-(D43-A): length 120
  Top w0.25: D43.2 55.32,100.31 55.32,84.9 55.19,84.77 55.19,58.78 56.23,57.74 56.23,43.65 v1(57.94,41.94)
  Bottom w0.25: 28.37,10.03 28.38,10.02 28.38,10.96 35.17,17.74 35.17,30.18 39.62,34.63 53.26,34.63 57.94,39.31 v1(57.94,41.94) ; SW43.2 24.29,10.02 SW43.2

## Copper pours and planes (outline as drawn; the poured copper is in the pictures)
GND_r on Top: -19.52,124.83 168.14,124.83 168.14,2.66 142.71,-22.78 -23.12,-34.83 -19.72,1.2 -19.72,124.63
GND_r on Bottom: -16.4,121.58 164.18,121.58 164.18,5.74 140.33,-18.11 -20.44,-33.11
